# Altium PCB TIMESTICK_2.PcbDoc (part 1 of 2) (continued)
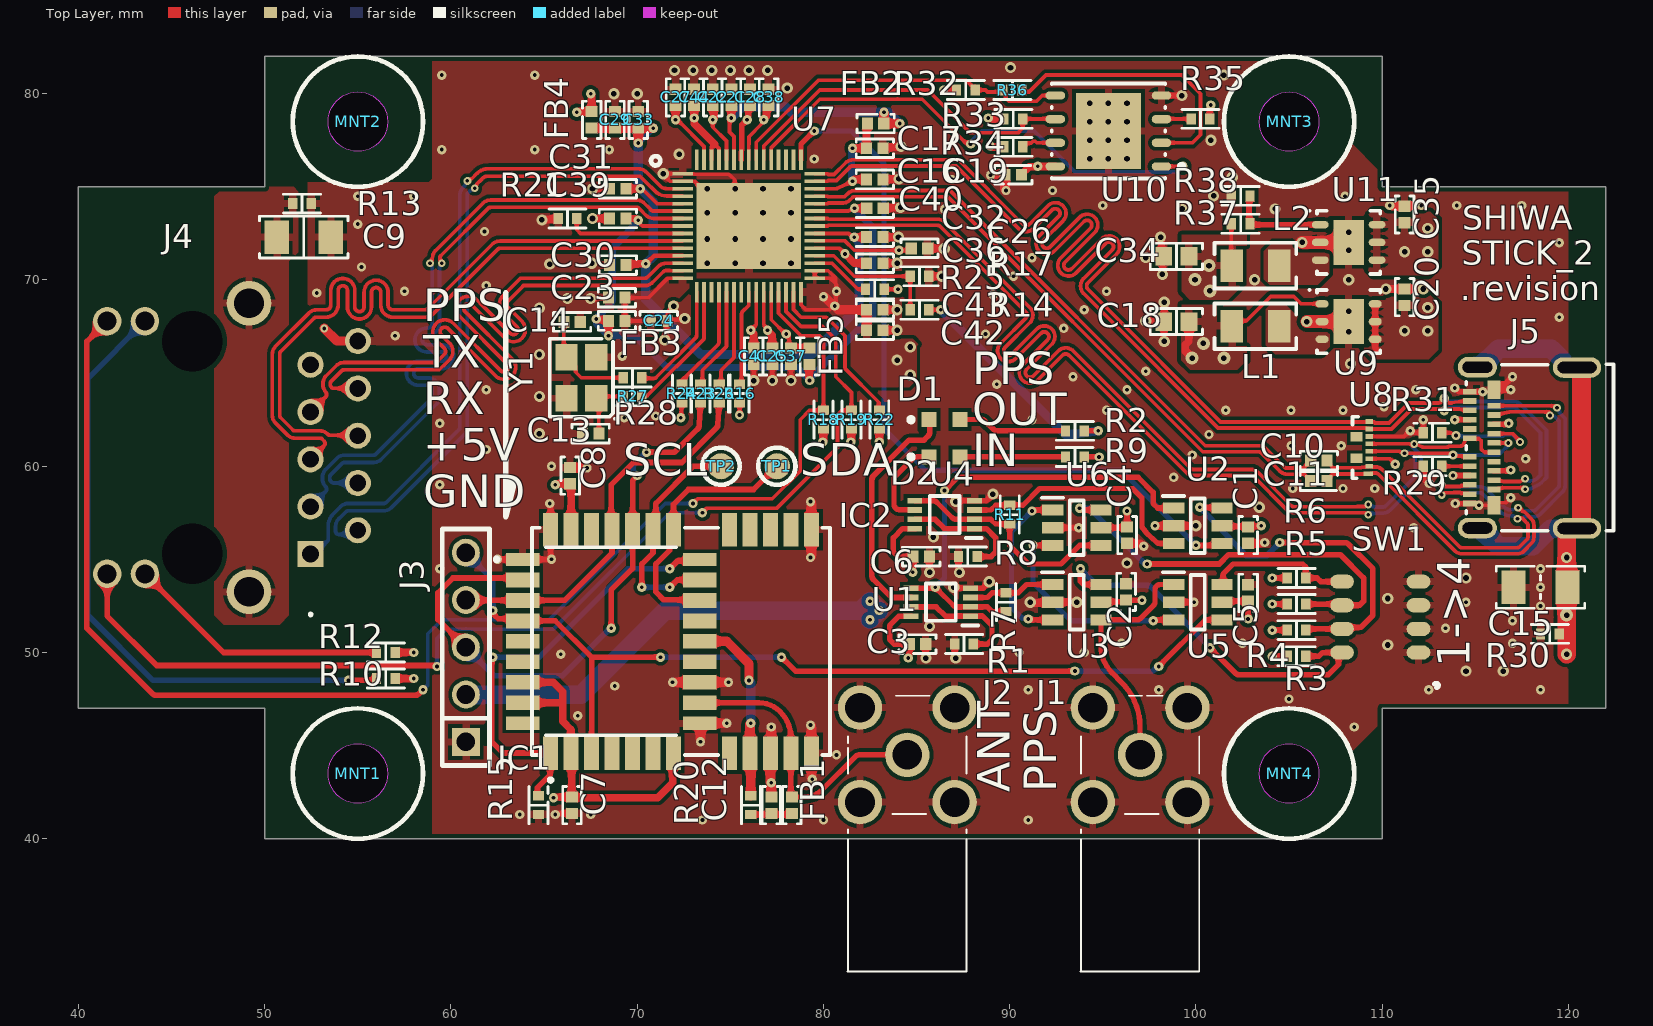
[diagram p0: Top Layer view]
## Part data (continued)
MNT1 MNT2 MNT3 MNT4: "Mount hole"
R1 R2 R8 R9 R18 R19 R32 R33 R34 R35: library part RC0402FR-074k7L, "RES 4.7K OHM 1% 1/16W 0402", Device Package="0402 (1005 Metric)", Manufacturer=Yageo, Operating Temperature="-55°C ~ 155°C", Part Number=RC0402FR-074K7L, Power (Watts)="0.063W, 1/16W", Supplier Device Package=0402, Supplier Part Number 1=311-4.7KLRCT-ND, Temperature Coefficient=±100ppm/°C, Tolerance=±1%, componentlink1description=Datasheet, componentlink1url=https://www.yageo.com/upload/media/product/productsearch/datasheet/rchip/PYu-RC_Group_51_RoHS_L_10.pdf, componentlink2description="DigiKey Link", componentlink2url=https://www.digikey.com/en/products/detail/yageo/RC0402FR-074K7L/2827563, Composition="Thick Film", Features="Moisture Resistant", Height - Seated (Max)="0.016\" (0.40mm)", lastupdated="25.07.2024 9:18:11", Lifecycle Status=Active, Minimum Order=1, Number of Terminations=2, Package / Case="0402 (1005 Metric)", packaging=CutTape, Part Status=Active, partid=17603, Price=0.01, Resistance="4.7 kOhms", series=RC_L, Size / Dimension="0.039\" L x 0.020\" W (1.00mm x 0.50mm)", Supplier 1=DigiKey
R3 R4 R5 R6 R16 R37: library part RC0402FR-0710KL, "RES 10K OHM 1% 1/16W 0402", Device Package="0402 (1005 Metric)", Manufacturer=Yageo, Operating Temperature="-55°C ~ 155°C", Power (Watts)="0.063W, 1/16W", Supplier Device Package=0402, Supplier Part Number 1=311-10.0KLRCT-ND, Temperature Coefficient=±100ppm/°C, Tolerance=±1%, componentlink1description=Datasheet, componentlink1url=https://www.yageo.com/upload/media/product/productsearch/datasheet/rchip/PYu-RC_Group_51_RoHS_L_10.pdf, componentlink2description="DigiKey Link", componentlink2url=https://www.digikey.com/en/products/detail/yageo/RC0402FR-0710KL/726523, Composition="Thick Film", Features="Moisture Resistant", Height - Seated (Max)="0.016\" (0.40mm)", lastupdated="25.07.2024 9:18:11", Lifecycle Status=Active, Minimum Order=1, Number of Terminations=2, Package / Case="0402 (1005 Metric)", packaging=CutTape, Part Number=RC0402FR-0710KL, Part Status=Active, partid=17593, Price=0.01, Resistance="10 kOhms", series=RC_L, Size / Dimension="0.039\" L x 0.020\" W (1.00mm x 0.50mm)", Supplier 1=DigiKey
R7 R11 R23 R26 R27: library part RC0402FR-070RL, "RES 0 OHM JUMPER 1/16W 0402", Device Package="0402 (1005 Metric)", Manufacturer=Yageo, Operating Temperature="-55°C ~ 155°C", Power (Watts)="0.063W, 1/16W", Supplier Device Package=0402, Supplier Part Number 1=311-0.0LRCT-ND, Tolerance=Jumper, componentlink1description=Datasheet, componentlink1url=https://www.yageo.com/upload/media/product/productsearch/datasheet/rchip/PYu-RC_Group_51_RoHS_L_10.pdf, componentlink2description="DigiKey Link", componentlink2url=https://www.digikey.com/en/products/detail/yageo/RC0402FR-070RL/2827570, Composition="Thick Film", Features="Moisture Resistant", Height - Seated (Max)="0.016\" (0.40mm)", lastupdated="25.07.2024 9:18:11", Lifecycle Status=Active, Minimum Order=1, Number of Terminations=2, Package / Case="0402 (1005 Metric)", packaging=CutTape, Part Number=RC0402FR-070RL, Part Status=Active, partid=17630, Price=0.01, Resistance="0 Ohms", series=RC_L, Size / Dimension="0.039\" L x 0.020\" W (1.00mm x 0.50mm)", Supplier 1=DigiKey
R10 R12: library part RC0402FR-07330RL, "RES 330 OHM 1% 1/16W 0402", Device Package="0402 (1005 Metric)", Manufacturer=Yageo, Operating Temperature="-55°C ~ 155°C", Power (Watts)="0.063W, 1/16W", Supplier Device Package=0402, Supplier Part Number 1=311-330LRCT-ND, Temperature Coefficient=±100ppm/°C, Tolerance=±1%, componentlink1description=Datasheet, componentlink1url=https://www.yageo.com/upload/media/product/productsearch/datasheet/rchip/PYu-RC_Group_51_RoHS_L_10.pdf, componentlink2description="DigiKey Link", componentlink2url=https://www.digikey.com/en/products/detail/yageo/RC0402FR-07330RL/726594, Composition="Thick Film", Features="Moisture Resistant", Height - Seated (Max)="0.016\" (0.40mm)", lastupdated="25.07.2024 9:18:08", Lifecycle Status=Active, Minimum Order=1, Number of Terminations=2, Package / Case="0402 (1005 Metric)", packaging=CutTape, Part Number=RC0402FR-07330RL, Part Status=Active, partid=20556, Price=0.01, Resistance="330 Ohms", series=RC_L, Size / Dimension="0.039\" L x 0.020\" W (1.00mm x 0.50mm)", Supplier 1=DigiKey
R13 R30: library part RC0402FR-071ML, "RES 1M OHM 1% 1/16W 0402", Device Package="0402 (1005 Metric)", Manufacturer=Yageo, Operating Temperature="-55°C ~ 155°C", Power (Watts)="0.063W, 1/16W", Supplier Device Package=0402, Supplier Part Number 1=311-1.00MLRCT-ND, Temperature Coefficient=±100ppm/°C, Tolerance=±1%, componentlink1description=Datasheet, componentlink1url=https://www.yageo.com/upload/media/product/productsearch/datasheet/rchip/PYu-RC_Group_51_RoHS_L_10.pdf, componentlink2description="DigiKey Link", componentlink2url=https://www.digikey.com/en/products/detail/yageo/RC0402FR-071ML/726515, Composition="Thick Film", Features="Moisture Resistant", Height - Seated (Max)="0.016\" (0.40mm)", lastupdated="25.07.2024 9:18:11", Lifecycle Status=Active, Minimum Order=1, Number of Terminations=2, Package / Case="0402 (1005 Metric)", packaging=CutTape, Part Number=RC0402FR-071ML, Part Status=Active, partid=17592, Price=0.01, Resistance="1 MOhms", series=RC_L, Size / Dimension="0.039\" L x 0.020\" W (1.00mm x 0.50mm)", Supplier 1=DigiKey
R14: library part RC0402FR-0749K9L, "RES 49.9K OHM 1% 1/16W 0402", Device Package="0402 (1005 Metric)", Manufacturer=Yageo, Operating Temperature="-55°C ~ 155°C", Power (Watts)="0.063W, 1/16W", Supplier Device Package=0402, Supplier Part Number 1=311-49.9KLRCT-ND, Temperature Coefficient=±100ppm/°C, Tolerance=±1%, componentlink1description=Datasheet, componentlink1url=https://www.yageo.com/upload/media/product/productsearch/datasheet/rchip/PYu-RC_Group_51_RoHS_L_10.pdf, componentlink2description="DigiKey Link", componentlink2url=https://www.digikey.com/en/products/detail/yageo/RC0402FR-0749K9L/726620, Composition="Thick Film", Features="Moisture Resistant", Height - Seated (Max)="0.016\" (0.40mm)", lastupdated="25.07.2024 9:18:11", Lifecycle Status=Active, Minimum Order=1, Number of Terminations=2, Package / Case="0402 (1005 Metric)", packaging=CutTape, Part Number=RC0402FR-0749K9L, Part Status=Active, partid=17919, Price=0.01, Resistance="49.9 kOhms", series=RC_L, Size / Dimension="0.039\" L x 0.020\" W (1.00mm x 0.50mm)", Supplier 1=DigiKey
R15: library part RC0402FR-070RL, "RES 0 OHM JUMPER 1/16W 0402", Device Package="0402 (1005 Metric)", Manufacturer=Yageo, Operating Temperature="-55°C ~ 155°C", Power (Watts)="0.063W, 1/16W", Resistance="0 Ohms", Supplier Device Package=0402, Supplier Part Number 1=311-0.0LRCT-ND, Tolerance=Jumper, componentlink1description=Datasheet, componentlink1url=https://www.yageo.com/upload/media/product/productsearch/datasheet/rchip/PYu-RC_Group_51_RoHS_L_10.pdf, componentlink2description="DigiKey Link", componentlink2url=https://www.digikey.com/en/products/detail/yageo/RC0402FR-070RL/2827570, Composition="Thick Film", Features="Moisture Resistant", Height - Seated (Max)="0.016\" (0.40mm)", lastupdated="25.07.2024 9:18:11", Lifecycle Status=Active, Minimum Order=1, Number of Terminations=2, Package / Case="0402 (1005 Metric)", packaging=CutTape, Part Number=RC0402FR-070RL, Part Status=Active, partid=17630, Price=0.01, series=RC_L, Size / Dimension="0.039\" L x 0.020\" W (1.00mm x 0.50mm)", Supplier 1=DigiKey
R17: library part RC0402FR-07100KL, "RES 100K OHM 1% 1/16W 0402", Device Package="0402 (1005 Metric)", Manufacturer=Yageo, Operating Temperature="-55°C ~ 155°C", Power (Watts)="0.063W, 1/16W", Supplier Device Package=0402, Supplier Part Number 1=311-100KLRCT-ND, Temperature Coefficient=±100ppm/°C, Tolerance=±1%, componentlink1description=Datasheet, componentlink1url=https://www.yageo.com/upload/media/product/productsearch/datasheet/rchip/PYu-RC_Group_51_RoHS_L_10.pdf, componentlink2description="DigiKey Link", componentlink2url=https://www.digikey.com/en/products/detail/yageo/RC0402FR-07100KL/726526, Composition="Thick Film", Features="Moisture Resistant", Height - Seated (Max)="0.016\" (0.40mm)", lastupdated="25.07.2024 9:18:11", Lifecycle Status=Active, Minimum Order=1, Number of Terminations=2, Package / Case="0402 (1005 Metric)", packaging=CutTape, Part Number=RC0402FR-07100KL, Part Status=Active, partid=17595, Price=0.01, Resistance="100 kOhms", series=RC_L, Size / Dimension="0.039\" L x 0.020\" W (1.00mm x 0.50mm)", Supplier 1=DigiKey
R20: library part RC0402FR-0733RL, "RES 33 OHM 1% 1/16W 0402", Device Package="0402 (1005 Metric)", Manufacturer=Yageo, Operating Temperature="-55°C ~ 155°C", Power (Watts)="0.063W, 1/16W", Supplier Device Package=0402, Supplier Part Number 1=311-33.0LRCT-ND, Temperature Coefficient=±100ppm/°C, Tolerance=±1%, componentlink1description=Datasheet, componentlink1url=https://www.yageo.com/upload/media/product/productsearch/datasheet/rchip/PYu-RC_Group_51_RoHS_L_10.pdf, componentlink2description="DigiKey Link", componentlink2url=https://www.digikey.com/en/products/detail/yageo/RC0402FR-0733RL/726593, Composition="Thick Film", Features="Moisture Resistant", Height - Seated (Max)="0.016\" (0.40mm)", lastupdated="25.07.2024 9:18:08", Lifecycle Status=Active, Minimum Order=1, Number of Terminations=2, Package / Case="0402 (1005 Metric)", packaging=CutTape, Part Number=RC0402FR-0733RL, Part Status=Active, partid=20555, Price=0.01, Resistance="33 Ohms", series=RC_L, Size / Dimension="0.039\" L x 0.020\" W (1.00mm x 0.50mm)", Supplier 1=DigiKey
R21: library part RC0402FR-0724KL, "RES 24K OHM 1% 1/16W 0402", Device Package="0402 (1005 Metric)", Manufacturer=Yageo, Operating Temperature="-55°C ~ 155°C", Power (Watts)="0.063W, 1/16W", Supplier Device Package=0402, Supplier Part Number 1=311-24KLRCT-ND, Temperature Coefficient=±100ppm/°C, Tolerance=±1%, componentlink1description=Datasheet, componentlink1url=https://www.yageo.com/upload/media/product/productsearch/datasheet/rchip/PYu-RC_Group_51_RoHS_L_10.pdf, componentlink2description="DigiKey Link", componentlink2url=https://www.digikey.com/en/products/detail/yageo/RC0402FR-0724KL/2827581, Composition="Thick Film", Features="Moisture Resistant", Height - Seated (Max)="0.016\" (0.40mm)", lastupdated="25.07.2024 9:18:19", Lifecycle Status=Active, Minimum Order=1, Number of Terminations=2, Package / Case="0402 (1005 Metric)", packaging=CutTape, Part Number=RC0402FR-0724KL, Part Status=Active, partid=2562, Price=0.01, Resistance="24 kOhms", series=RC_L, Size / Dimension="0.039\" L x 0.020\" W (1.00mm x 0.50mm)", Supplier 1=DigiKey
R22 R24 R25: library part RC0402FR-0747KL, "RES 47K OHM 1% 1/16W 0402", Device Package="0402 (1005 Metric)", Manufacturer=Yageo, Operating Temperature="-55°C ~ 155°C", Power (Watts)="0.063W, 1/16W", Supplier Device Package=0402, Supplier Part Number 1=311-47.0KLRCT-ND, Temperature Coefficient=±100ppm/°C, Tolerance=±1%, componentlink1description=Datasheet, componentlink1url=https://www.yageo.com/upload/media/product/productsearch/datasheet/rchip/PYu-RC_Group_51_RoHS_L_10.pdf, componentlink2description="DigiKey Link", componentlink2url=https://www.digikey.com/en/products/detail/yageo/RC0402FR-0747KL/726616, Composition="Thick Film", Features="Moisture Resistant", Height - Seated (Max)="0.016\" (0.40mm)", lastupdated="25.07.2024 9:18:08", Lifecycle Status=Active, Minimum Order=1, Number of Terminations=2, Package / Case="0402 (1005 Metric)", packaging=CutTape, Part Number=RC0402FR-0747KL, Part Status=Active, partid=20550, Price=0.01, Resistance="47 kOhms", series=RC_L, Size / Dimension="0.039\" L x 0.020\" W (1.00mm x 0.50mm)", Supplier 1=DigiKey
R28: library part RC0402FR-07200RL, "RES 200 OHM 1% 1/16W 0402", Device Package="0402 (1005 Metric)", Manufacturer=Yageo, Operating Temperature="-55°C ~ 155°C", Power (Watts)="0.063W, 1/16W", Supplier Device Package=0402, Supplier Part Number 1=311-200LRCT-ND, Temperature Coefficient=±100ppm/°C, Tolerance=±1%, componentlink1description=Datasheet, componentlink1url=https://www.yageo.com/upload/media/product/productsearch/datasheet/rchip/PYu-RC_Group_51_RoHS_L_10.pdf, componentlink2description="DigiKey Link", componentlink2url=https://www.digikey.com/en/products/detail/yageo/RC0402FR-07200RL/2827569, Composition="Thick Film", Features="Moisture Resistant", Height - Seated (Max)="0.016\" (0.40mm)", lastupdated="25.07.2024 9:18:11", Lifecycle Status=Active, Minimum Order=1, Number of Terminations=2, Package / Case="0402 (1005 Metric)", packaging=CutTape, Part Number=RC0402FR-07200RL, Part Status=Active, partid=17915, Price=0.01, Resistance="200 Ohms", series=RC_L, Size / Dimension="0.039\" L x 0.020\" W (1.00mm x 0.50mm)", Supplier 1=DigiKey
R29 R31: library part RC0402FR-075k1L, "RES 5.1K OHM 1% 1/16W 0402", Device Package="0402 (1005 Metric)", Manufacturer=Yageo, Operating Temperature="-55°C ~ 155°C", Part Number=RC0402FR-075K1L, Power (Watts)="0.063W, 1/16W", Supplier Device Package=0402, Supplier Part Number 1=311-5.10KLRCT-ND, Temperature Coefficient=±100ppm/°C, Tolerance=±1%, componentlink1description=Datasheet, componentlink1url=https://www.yageo.com/upload/media/product/productsearch/datasheet/rchip/PYu-RC_Group_51_RoHS_L_10.pdf, componentlink2description="DigiKey Link", componentlink2url=https://www.digikey.com/en/products/detail/yageo/RC0402FR-075K1L/726624, Composition="Thick Film", Features="Moisture Resistant", Height - Seated (Max)="0.016\" (0.40mm)", lastupdated="25.07.2024 9:18:11", Lifecycle Status=Active, Minimum Order=1, Number of Terminations=2, Package / Case="0402 (1005 Metric)", packaging=CutTape, Part Status=Active, partid=17937, Price=0.01, Resistance="5.1 kOhms", series=RC_L, Size / Dimension="0.039\" L x 0.020\" W (1.00mm x 0.50mm)", Supplier 1=DigiKey
R36: library part RC0402FR-0722RL, "RES 22 OHM 1% 1/16W 0402", Device Package="0402 (1005 Metric)", Manufacturer=Yageo, Operating Temperature="-55°C ~ 155°C", Power (Watts)="0.063W, 1/16W", Supplier Device Package=0402, Supplier Part Number 1=311-22.0LRCT-ND, Temperature Coefficient=±100ppm/°C, Tolerance=±1%, componentlink1description=Datasheet, componentlink1url=https://www.yageo.com/upload/media/product/productsearch/datasheet/rchip/PYu-RC_Group_51_RoHS_L_10.pdf, componentlink2description="DigiKey Link", componentlink2url=https://www.digikey.com/en/products/detail/yageo/RC0402FR-0722RL/726562, Composition="Thick Film", Features="Moisture Resistant", Height - Seated (Max)="0.016\" (0.40mm)", lastupdated="25.07.2024 9:18:11", Lifecycle Status=Active, Minimum Order=1, Number of Terminations=2, Package / Case="0402 (1005 Metric)", packaging=CutTape, Part Number=RC0402FR-0722RL, Part Status=Active, partid=17600, Price=0.01, Resistance="22 Ohms", series=RC_L, Size / Dimension="0.039\" L x 0.020\" W (1.00mm x 0.50mm)", Supplier 1=DigiKey
R38: library part RC0402FR-0739K2L, "RES 39.2K OHM 1% 1/16W 0402", Device Package="0402 (1005 Metric)", Manufacturer=Yageo, Operating Temperature="-55°C ~ 155°C", Power (Watts)="0.063W, 1/16W", Supplier Device Package=0402, Supplier Part Number 1=311-39.2KLRCT-ND, Temperature Coefficient=±100ppm/°C, Tolerance=±1%, componentlink1description=Datasheet, componentlink1url=https://www.yageo.com/upload/media/product/productsearch/datasheet/rchip/PYu-RC_Group_51_RoHS_L_10.pdf, componentlink2description="DigiKey Link", componentlink2url=https://www.digikey.com/en/products/detail/yageo/RC0402FR-0739K2L/726603, Composition="Thick Film", Features="Moisture Resistant", Height - Seated (Max)="0.016\" (0.40mm)", lastupdated="25.07.2024 9:18:08", Lifecycle Status=Active, Minimum Order=1, Number of Terminations=2, Package / Case="0402 (1005 Metric)", packaging=CutTape, Part Number=RC0402FR-0739K2L, Part Status=Active, partid=20819, Price=0.01, Resistance="39.2 kOhms", series=RC_L, Size / Dimension="0.039\" L x 0.020\" W (1.00mm x 0.50mm)", Supplier 1=DigiKey
SW1: "SWITCH SLIDE DIP SPST 25MA 24V", Current Rating (Amps)=25mA, Manufacturer="CTS Electrocomponents", Operating Temperature="-55°C ~ 85°C", Supplier Part Number 1=CT2184LPST-ND, Voltage Rating=24VDC, Actuator Level="Flush, Recessed", Actuator Type="Slide (Standard)", Circuit=SPST, componentlink1description=Datasheet, componentlink1url=https://www.ctscorp.com/wp-content/uploads/218.pdf, componentlink2description="DigiKey Link", componentlink2url=http://digikey.com/product-detail/en/cts-electrocomponents/218-4LPST/CT2184LPST-ND/267320, Contact Finish=Gold, Contact Material="Beryllium Copper", Features="Epoxy Sealed Terminals, Tape Seal", Height Above Board="0.104\" (2.65mm)", lastupdated="1/4/2020 7:03:56 PM", Lifecycle Status=Active, Minimum Order=1, Mounting Type="Surface Mount", Number of Positions=4, packaging=Tube, Part Number=218-4LPST, Part Status=Active, partid=10, Pitch="0.050\" (1.27mm), Half", Price=1.18, series=218, Supplier 1=DigiKey, Termination Style="Gull Wing", Washable=Yes
TP1 TP2: "Test Point", Case={Case}, Manufacturer={Manufacturer}, PowerVoltage={PowerVoltage}, Tempcoeff={Tempcoeff}, Tolerance={Tolerance}, CatalogueCode={CatalogueCode}, Reseller1={Reseller1}, Reseller2={Reseller2}, Reseller3={Reseller3}
U1 U4: "Integrated Circuit", Manufacturer_Name=onsemi, Datasheet Link=https://www.lcsc.com/datasheet/lcsc_datasheet_2410121813_onsemi-NC7WZ125K8X_C457629.pdf, Height=0.9mm, Manufacturer_Part_Number=NC7WZ125K8X
U2 U3 U5 U6: "Integrated Circuit", Manufacturer_Name="Texas Instruments", Mouser Part Number=595-SN74LVC1G3157DBV, Arrow Part Number=SN74LVC1G3157DBVR, Arrow Price/Stock=https://www.arrow.com/en/products/sn74lvc1g3157dbvr/texas-instruments?region=nac, Datasheet Link=http://componentsearchengine.com/Datasheets/1/SN74LVC1G3157DBVR.pdf, Height=1.45mm, Manufacturer_Part_Number=SN74LVC1G3157DBVR, Mouser Price/Stock=https://www.mouser.co.uk/ProductDetail/Texas-Instruments/SN74LVC1G3157DBVR?qs=PVVDbbWpW3ID6l2sElWeMw%3D%3D
U7: library part IC_AX88279
U8: library part CMP-1063-00263-1, "Low Capacitance ESD Protection USB 3.0, 8-Pin UDFN, Pb-Free, Tape and Reel", Manufacturer="On Semiconductor", C Max (pF)=0.2, componentlink1description="Manufacturer URL", componentlink1url=http://www.onsemi.com/, componentlink2description=Datasheet, componentlink2url=http://www.onsemi.com/pub_link/Collateral/ESD7016-D.PDF, ComponentLink3Description="Package Specification", ComponentLink3URL=http://www.onsemi.com/pub_link/Collateral/517CB.PDF, DatasheetVersion="Rev. 3", Direction=Bidirectional, IR Max (uA)=1, Mounting Technology="Surface Mount", Number of Lines=6, PackageDescription="8-Pin Small Outline No-Lead, Body 3.3 x 1 mm, Pitch 0.4 mm", PackageReference=UDFN-8-517CB, PackageVersion="Rev. O, 09/2011", Packing="Tape and Reel", PartNumber=ESD7016MUTAG, RoHS=Pb-Free, V(BR) Min (V)=5.5, VRWM Max (V)=5
U9: library part CMP-0240-00158-1, "Synchronous rectification with inhibit, 1.5 A, 1.5 MHz adjustable, step-down switching regulator, 6-Pin DFN", Case/Package=DFN, Frequency=1.5MHz, Manufacturer=STMicroelectronics, Max Operating Temperature=125°C, Max Output current=1.5A, Max Supply Voltage=6V, Min Input Voltage=2.7V, Min Operating Temperature=-30°C, Output Voltage=3.3V, Package Quantity=1, Quiescent Current=1.5mA, Supplier Part Number=497-6311-1-ND, Accuracy=2%, Category="Voltage Regulators - Switching", componentlink1description="Manufacturer URL", componentlink1url=http://www.st.com, componentlink2description=Datasheet, componentlink2url=http://www.st.com/internet/com/TECHNICAL_RESOURCES/TECHNICAL_LITERATURE/DATASHEET/CD00100211.pdf, ComponentLink3Description=https://datasheet.ciiva.com/15113/getdatasheetpartid-188384-15113793.pdf?src-supplier=Verical, ComponentLink3URL=https://datasheet.ciiva.com/15113/getdatasheetpartid-188384-15113793.pdf?src-supplier=Verical, ComponentLink4Description=https://datasheet.ciiva.com/2029/cd00100211-2029328.pdf?src-supplier=Digikey, ComponentLink4URL=https://datasheet.ciiva.com/2029/cd00100211-2029328.pdf?src-supplier=Digikey, ComponentLink5Description=https://datasheet.ciiva.com/2029/cd00100211-2029329.pdf?src-supplier=Digikey, ComponentLink5URL=https://datasheet.ciiva.com/2029/cd00100211-2029329.pdf?src-supplier=Digikey, ComponentLink6Description=https://datasheet.ciiva.com/2029/cd00100211-2029330.pdf?src-supplier=Digikey, ComponentLink6URL=https://datasheet.ciiva.com/2029/cd00100211-2029330.pdf?src-supplier=Digikey, ComponentLink7Description=https://datasheet.ciiva.com/16489/cd00100211-16489901.pdf?src-supplier=Future+Electronics, ComponentLink7URL=https://datasheet.ciiva.com/16489/cd00100211-16489901.pdf?src-supplier=Future+Electronics, ComponentLink8Description=https://datasheet.ciiva.com/4905/cd00100211-4905371.pdf?src-supplier=Mouser, ComponentLink8URL=https://datasheet.ciiva.com/4905/cd00100211-4905371.pdf?src-supplier=Mouser, DatasheetVersion=May-2009, Efficiency=90%, Height=0.95mm, Lead Free="Lead Free", Length=3.1mm, Manufacturer Part Number=ST1S06PU33R, Mounting Technology="Surface Mount", Number of Outputs=1, Operating Supply Voltage=6V, Output Current=1.5A, Output Type=Fixed,Adjustable, PackageDescription="6-Pin Plastic, Dual LLP, 3 x 3 mm Body, 0.95 mm Pitch, Exposed Pad", PackageReference=DFN6D, PackageVersion=2008, packaging="Tape and Reel", Pins=6, Polarity=Positive, Pricing="1=1.46, 10=1.306, 25=1.2392, 100=1.0179, 250=0.95156, 500=0.8409, 1000=0.66387 (USD)", Radiation Hardening=No, RoHS=Yes, RoHS Compliant=Yes, series=-, Stock=5274, Supplier=Digikey, Switching Frequency=1.5MHz, Synchronous Rectifier=Yes, Weight=0.000744oz, Width=3.1mm
U10: library part CMP-00252-18686437-1, "SST25VF016B-50-4I-QAF-T Flash Serial-SPI 3.3V 16Mbit 2M x 8bit 8ns 8-Pin WSON EP T/R - Tape and Reel", Frequency=50MHz, Max Operating Temperature=85°C, Max Supply Voltage=3.6V, Min Operating Temperature=-40°C, Min Supply Voltage=2.7V, Nominal Supply Current=15mA, Operating Supply Voltage=3.3V, Access Time=8ns, Address Bus Width=1b, Data Bus Width=8b, Density=16Mb, Height=800µm, Interface=SPI, Lead Free="Lead Free", Lifecycle Status=Production, Max Frequency=50MHz, Memory Size=2MB, Memory Type=FLASH, Mount="Surface Mount", NexarPartId=18686437, Number of Pins=8, packaging="Tape and Reel", Radiation Hardening=No, RoHS=Compliant, Schedule B="8542320050, 8542320050", Sync/Async=Synchronous, Word Size=8b
U11: library part CMP-0240-00159-1, "Synchronous rectification with inhibit, 1.5 A, 1.5 MHz adjustable, step-down switching regulator, 6-Pin DFN", componentlink1description="Manufacturer URL", componentlink1url=http://www.st.com, componentlink2description=Datasheet, componentlink2url=http://www.st.com/internet/com/TECHNICAL_RESOURCES/TECHNICAL_LITERATURE/DATASHEET/CD00100211.pdf, DatasheetVersion=May-2009, PackageDescription="6-Pin Plastic, Dual LLP, 3 x 3 mm Body, 0.95 mm Pitch, Exposed Pad", PackageReference=DFN6D, PackageVersion=2008
Y1: library part NX3225GA-25.000M-STD-CRG-2, "CRYSTAL 25.0000MHZ 8PF SMD", ESR (Equivalent Series Resistance)="50 Ohms", Frequency Stability=±30ppm, Frequency Tolerance=±20ppm, Load Capacitance=8pF, Manufacturer="NDK America, Inc.", Operating Mode=Fundamental, Operating Temperature="-40°C ~ 85°C", Package / Case="4-SMD, No Lead", Supplier Part Number 1=644-1259-1-ND, componentlink1description=Datasheet, componentlink1url=http://www.ndk.com/images/products/catalog/c_NX3225GA-STD-CRG-2_e.pdf, componentlink2description="DigiKey Link", componentlink2url=https://www.digikey.com/en/products/detail/ndk-america-inc/NX3225GA-25-000M-STD-CRG-2/5022963, Frequency="25 MHz", Height - Seated (Max)="0.035\" (0.90mm)", lastupdated="03.06.2024 20:02:19", Lifecycle Status=Active, Minimum Order=1, Mounting Type="Surface Mount", packaging=TapeAndReel, Part Number=NX3225GA-25.000M-STD-CRG-2, Part Status=Active, partid=547, Price=0.27, series=NX3225GA, Size / Dimension="0.126\" L x 0.098\" W (3.20mm x 2.50mm)", Supplier 1=DigiKey, Type="MHz Crystal"

## Via types
v1: diameter 0.5, hole 0.2, Top Layer to Bottom Layer, tented both sides, 226 vias
v2: diameter 0.6, hole 0.3, Top Layer to Bottom Layer, tented both sides, 105 vias
v3: diameter 0.42, hole 0.2, Top Layer to Bottom Layer, tented both sides, 19 vias
v4: diameter 0.6, hole 0.3, Top Layer to Bottom Layer, 16 vias
v5: diameter 0.7, hole 0.3, Top Layer to Bottom Layer, tented both sides, 7 vias

## Nets (pads, with @x,y where several pads share a name; then routed paths per layer and width w, separated by ;. In a path a pad name is that pad's centre, name@x,y a point inside that pad or via, vN(x,y) a via of type N, cw(c..) or ccw(c..) an arc to the next point about the centre after c; other vN are vias at no path point)
1PPS_IN: R11.1 U4.2 U4.5 U6.4 | length 12.4
  Top Layer w0.286: U4.5@84.925,58.15 85.882,58.15 cw(c85.882,57.864) 86.083,58.067 86.917,57.233 ccw(c87.118,57.436) 87.118,57.15 88.075,57.15 89,57.15 89.25,56.9 R11.1@90,56.9 90,55.75 91,54.75 92.75,54.75 93.75,55.75 U6.4@94.9,55.75
1PPS_IN_BUFF: R11.2 U2.3 U4.3 | length 13.3
  Top Layer w0.286: U4.3@88.075,57.65 89,57.65 89.25,57.9 R11.2@90,57.9 90.7,57.9 91.6,58.8 96.6,58.8 97.1,58.3 97.1,56.818 ccw(c97.386,56.818) 97.184,56.616 97.216,56.584 cw(c97.013,56.383) 97.257,56.532 ccw(c97.7,56.8) 97.346,56.422 97.873,55.927 ccw(c98.068,56.136) 98.068,55.85 U2.3@98.8,55.85
1PPS_IN_LED: D2.1 U4.6 | length 5.1
  Top Layer w0.286: U4.6@84.925,57.65 84.643,57.657 84.064,57.671 cw(c84.072,57.957) 83.785,57.957 83.785,59.267 cw(c84.072,59.267) 83.87,59.47 84.816,60.416 cw(c85.018,60.214) 85.018,60.5 D2.1@85.675,60.5
1PPS_OUT: R7.2 U1.2 U1.5 U2.1 | length 24.6
  Top Layer w0.286: U1.5@84.725,53.45 85.932,53.45 cw(c85.932,53.164) 86.133,53.367 86.967,52.533 ccw(c87.168,52.736) 87.168,52.45 88.8,52.45 89.05,52.2 R7.2@89.8,52.2 ; v1(86.5,58.7) 87.2,59.4 96.9,59.4 97.7,58.6 97.7,58 97.95,57.75 U2.1@98.8,57.75
  Bottom Layer w0.286: v1(86,53.5) 86.5,54 v1(86.5,58.7)
1PPS_OUT_BUFF: R7.1 U1.3 U3.1 | length 4.8
  Top Layer w0.286: U1.3@87.875,52.95 88.8,52.95 89.05,53.2 R7.1@89.8,53.2 ; R7.1@89.85,53.15 R7.1@89.8,53.2 ; U3.1@92.3,53.65 90.9,53.65 90.45,53.2 R7.1@89.8,53.2
1PPS_OUT_LED: D1.1 U1.6 | length 12.8
  Top Layer w0.3: 82.687,53.913 cw(c82.9,54.124) 82.6,54.124 82.6,59.276 cw(c82.9,59.276) 82.688,59.488 84.6,61.4 85.4,61.4 85.613,61.613 ccw(c85.4,61.824) 85.7,61.824 D1.1@85.7,62.5 ; 82.688,53.912 83.65,52.95 U1.6@84.725,52.95
1PPS_SMA_IO: J1.1 U3.4 U5.1 | length 13
  Top Layer w0.286: 94.9,50.327 ccw(c96.898,50.327) 95.481,48.919 95.482,48.918 96.011,48.389 ; 94.9,50.329 94.9,51.593 U3.4@94.9,51.75 96.832,51.75 ccw(c96.832,52.036) 97.033,51.833 97.717,52.517 ccw(c97.514,52.718) 97.8,52.718 97.8,53.364 cw(c98.086,53.364) 98.086,53.65 U5.1@98.8,53.65 ; 96.011,48.389 cw(c93.58,45.984) 97,45.988 J1.1@97,44.5
279_1PPS_IO: U2.4 U7.46 | length 41.3
  Top Layer w0.286: U7.46@78.791,76.45 78.791,77.291 v1(79.5,78) ; v1(100,55.75) 101.3,55.75 U2.4@101.4,55.85
  Bottom Layer w0.286: v1(79.5,78) 81.5,78 83.25,76.25 83.25,62 85.468,59.782 95.968,59.782 v1(100,55.75)
279_TOD_IN: IC1.2 IC2.20 J3.3 R23.1 | length 33.1
  Top Layer w0.3: J3.3@60.8,50.26 59.3,51.76 59.3,53.2 60.1,54 63.75,54 IC1.2@63.85,53.9 ; v1(68.6,51.3) 68.6,53.35 69.75,54.5 IC2.20@69.75,56.6 69.75,59.224 70,59.474 v1(70,59.5) ; v1(70.5,60.75) 72,60.75 73.24,61.99 ccw(c73.028,62.202) 73.327,62.184 73.394,63.3 R23.1@73.4,63.4
  Bottom Layer w0.3: J3.3@60.8,50.26 62.31,48.75 65.996,48.75 68.546,51.3 v1(68.6,51.3) ; v1(70,59.5) 70,59.55 69.774,59.776 69.774,60.024 v1(70.5,60.75)
279_TOD_IN_R: R23.2 U7.20 | length 5.5
  Top Layer w0.2: R23.2@73.4,64.4 73.5,64.55 73.5,65.061 cw(c73.7,65.061) 73.559,65.203 74.791,66.435 U7.20@74.791,69.35
279_TOD_OUT: IC1.3 IC2.21 J3.4 R26.1 | length 20.9
  Top Layer w0.3: J3.4@60.8,52.8 IC1.3@63.85,52.8 66.1,52.8 68.65,55.35 IC2.21@68.65,56.65 ; IC2.21@68.65,56.6 68.6,56.65 68.6,59 69.8,60.2 72.4,60.2 74.243,62.043 ccw(c74.031,62.255) 74.33,62.237 74.394,63.3 R26.1@74.4,63.4
279_TOD_OUT_R: R26.2 U7.21 | length 5.3
  Top Layer w0.2: R26.2@74.4,64.4 74.5,64.55 74.5,65.061 cw(c74.7,65.061) 74.559,65.203 75.191,65.835 U7.21@75.191,69.35
ANT: FB1.2 IC1.11 IC2.11 J2.1 | length 16
  Top Layer w0.286: IC1.11@73.35,47.3 74.107,47.3 76.525,47.3 cw(c76.525,45.67) 77.677,46.823 cw(c76.283,45.435) 78.25,45.438 78.25,45.357 78.25,42.397 FB1.2@78.3,42.24 ; FB1.2@78.4,42.24 78.477,42.24 79.015,42.24 ccw(c79.014,43.511) 79.909,42.609 ; 79.909,42.609 81.717,44.417 cw(c81.918,44.214) 81.918,44.5 J2.1@84.335,44.5
AVDD10: C16.2 C17.2 FB2.2 U7.43 | length 6.8
  Top Layer w0.203: U7.43@79.541,74.9 80.672,74.9 ccw(c80.672,75.103) 80.759,74.92 v1(81.556,75.3)
  Top Layer w0.4: v1(81.556,75.3) 81.656,75.4 C16.2@82.316,75.4 ; v1(81.556,77.075) C17.2@82.316,77.075 82.316,78.356 FB2.2@82.36,78.4
  Bottom Layer w0.4: v1(81.556,75.3) cw(c81.906,75.494) 81.506,75.494 81.506,76.883 cw(c81.906,76.881) v1(81.556,77.075)
AVDD_1.85: C39.2 C40.2 FB3.2 FB5.2 U7.8 U7.40 | length 38.6
  Top Layer w0.2: v1(70.056,73.2) 70.055,73.19 ccw(c70.255,73.185) 70.113,73.044 70.198,72.958 ccw(c70.339,73.1) 70.339,72.9 70.605,72.9 71.991,72.9 U7.8@72.441,72.9 ; U7.40@79.541,73.7 81.298,73.7 ccw(c81.298,73.9) 81.424,73.745 ; 81.424,73.745 cw(c81.549,73.589) 81.456,73.766 81.573,73.827 cw(c81.666,73.65) v1(81.666,73.85)
  Top Layer w0.4: v1(67.8,67.9) 67.819,67.881 68.385,67.881 FB3.2@68.466,67.8 68.456,67.79 v1(68.456,67) ; C39.2@69.396,73.3 69.793,73.3 cw(c69.791,72.9) v1(70.056,73.2) ; v1(79.256,64.6) 79.256,64.627 79.225,64.658 79.225,65.429 FB5.2@79.256,65.46 ; v1(81.666,73.85) C40.2@82.326,73.85
  Bottom Layer w0.4: v1(70.056,73.2) 69.526,72.583 69.519,72.574 cw(c69.215,72.835) 69.51,72.564 69.403,72.448 cw(c69.109,72.719) 69.391,72.435 68.773,71.817 ccw(c69.056,71.534) 68.656,71.534 68.656,68.966 cw(c68.256,68.966) 68.539,68.683 67.85,67.994 67.85,67.977 67.8,67.927 v1(67.8,67.9) 67.819,67.881 67.819,67.637 v1(68.456,67) 69.9,67 71.6,65.3 78.587,65.3 79.206,64.681 79.206,64.677 79.256,64.627 v1(79.256,64.6) ; v1@79.26,64.631 79.275,64.646 79.275,64.719 82.656,68.1 82.656,72.8 82.333,73.123 82.332,73.124 cw(c82.616,73.406) 82.318,73.138 ccw(c82.022,72.869) 82.317,73.14 v1(81.666,73.85)
AVDD_33: C29.2 C30.2 C31.2 C32.2 C33.2 FB4.2 U7.5 U7.12 U7.37 | length 41.2
  Top Layer w0.2: v1(70.156,74.9) 70.237,74.9 70.376,74.761 70.395,74.761 71.056,74.1 U7.5@72.441,74.1 ; U7.37@79.541,72.5 81.356,72.5 81.556,72.3 v1(81.656,72.3)
  Top Layer w0.25: v1(70.459,70.864) 70.472,70.864 70.908,71.3 U7.12@72.441,71.3
  Top Layer w0.4: C30.2@69.396,70.8 69.46,70.864 v1(70.459,70.864) ; C31.2@69.396,74.9 v1(70.156,74.9) ; v1(81.656,72.3) C32.2@82.316,72.3
  Top Layer w0.5: FB4.2@67.556,78.16 C29.2@68.806,78.16 C33.2@70.056,78.16 ; v1(70.056,77.35) C33.2@70.056,78.16 ; v1(70.856,78.15) 70.846,78.16 C33.2@70.056,78.16
  Bottom Layer w0.5: v1(70.056,77.35) 70.056,75 v1(70.156,74.9) 70.856,74.2 70.856,71.261 v1(70.459,70.864) 70.459,68.948 73.407,66 79.356,66 81.906,68.55 81.906,72.05 v1(81.656,72.3) ; v1@70.056,77.45 70.756,78.15 v1(70.856,78.15)
CHASSIS_GND: C9.1 J4.MH1 J4.MH2 R13.1